# Altium PCB Calipso V2.0 REV3.0.PcbDoc (part 5 of 5)
Units mm, origin at the board's own origin, x right, y up, seen from the top; angles counter-clockwise.
Board outline 192.5 x 156.5 mm, 2 copper layers (Top Layer, Bottom Layer); 431 components, 334 nets, 1532 pads, 1628 vias.
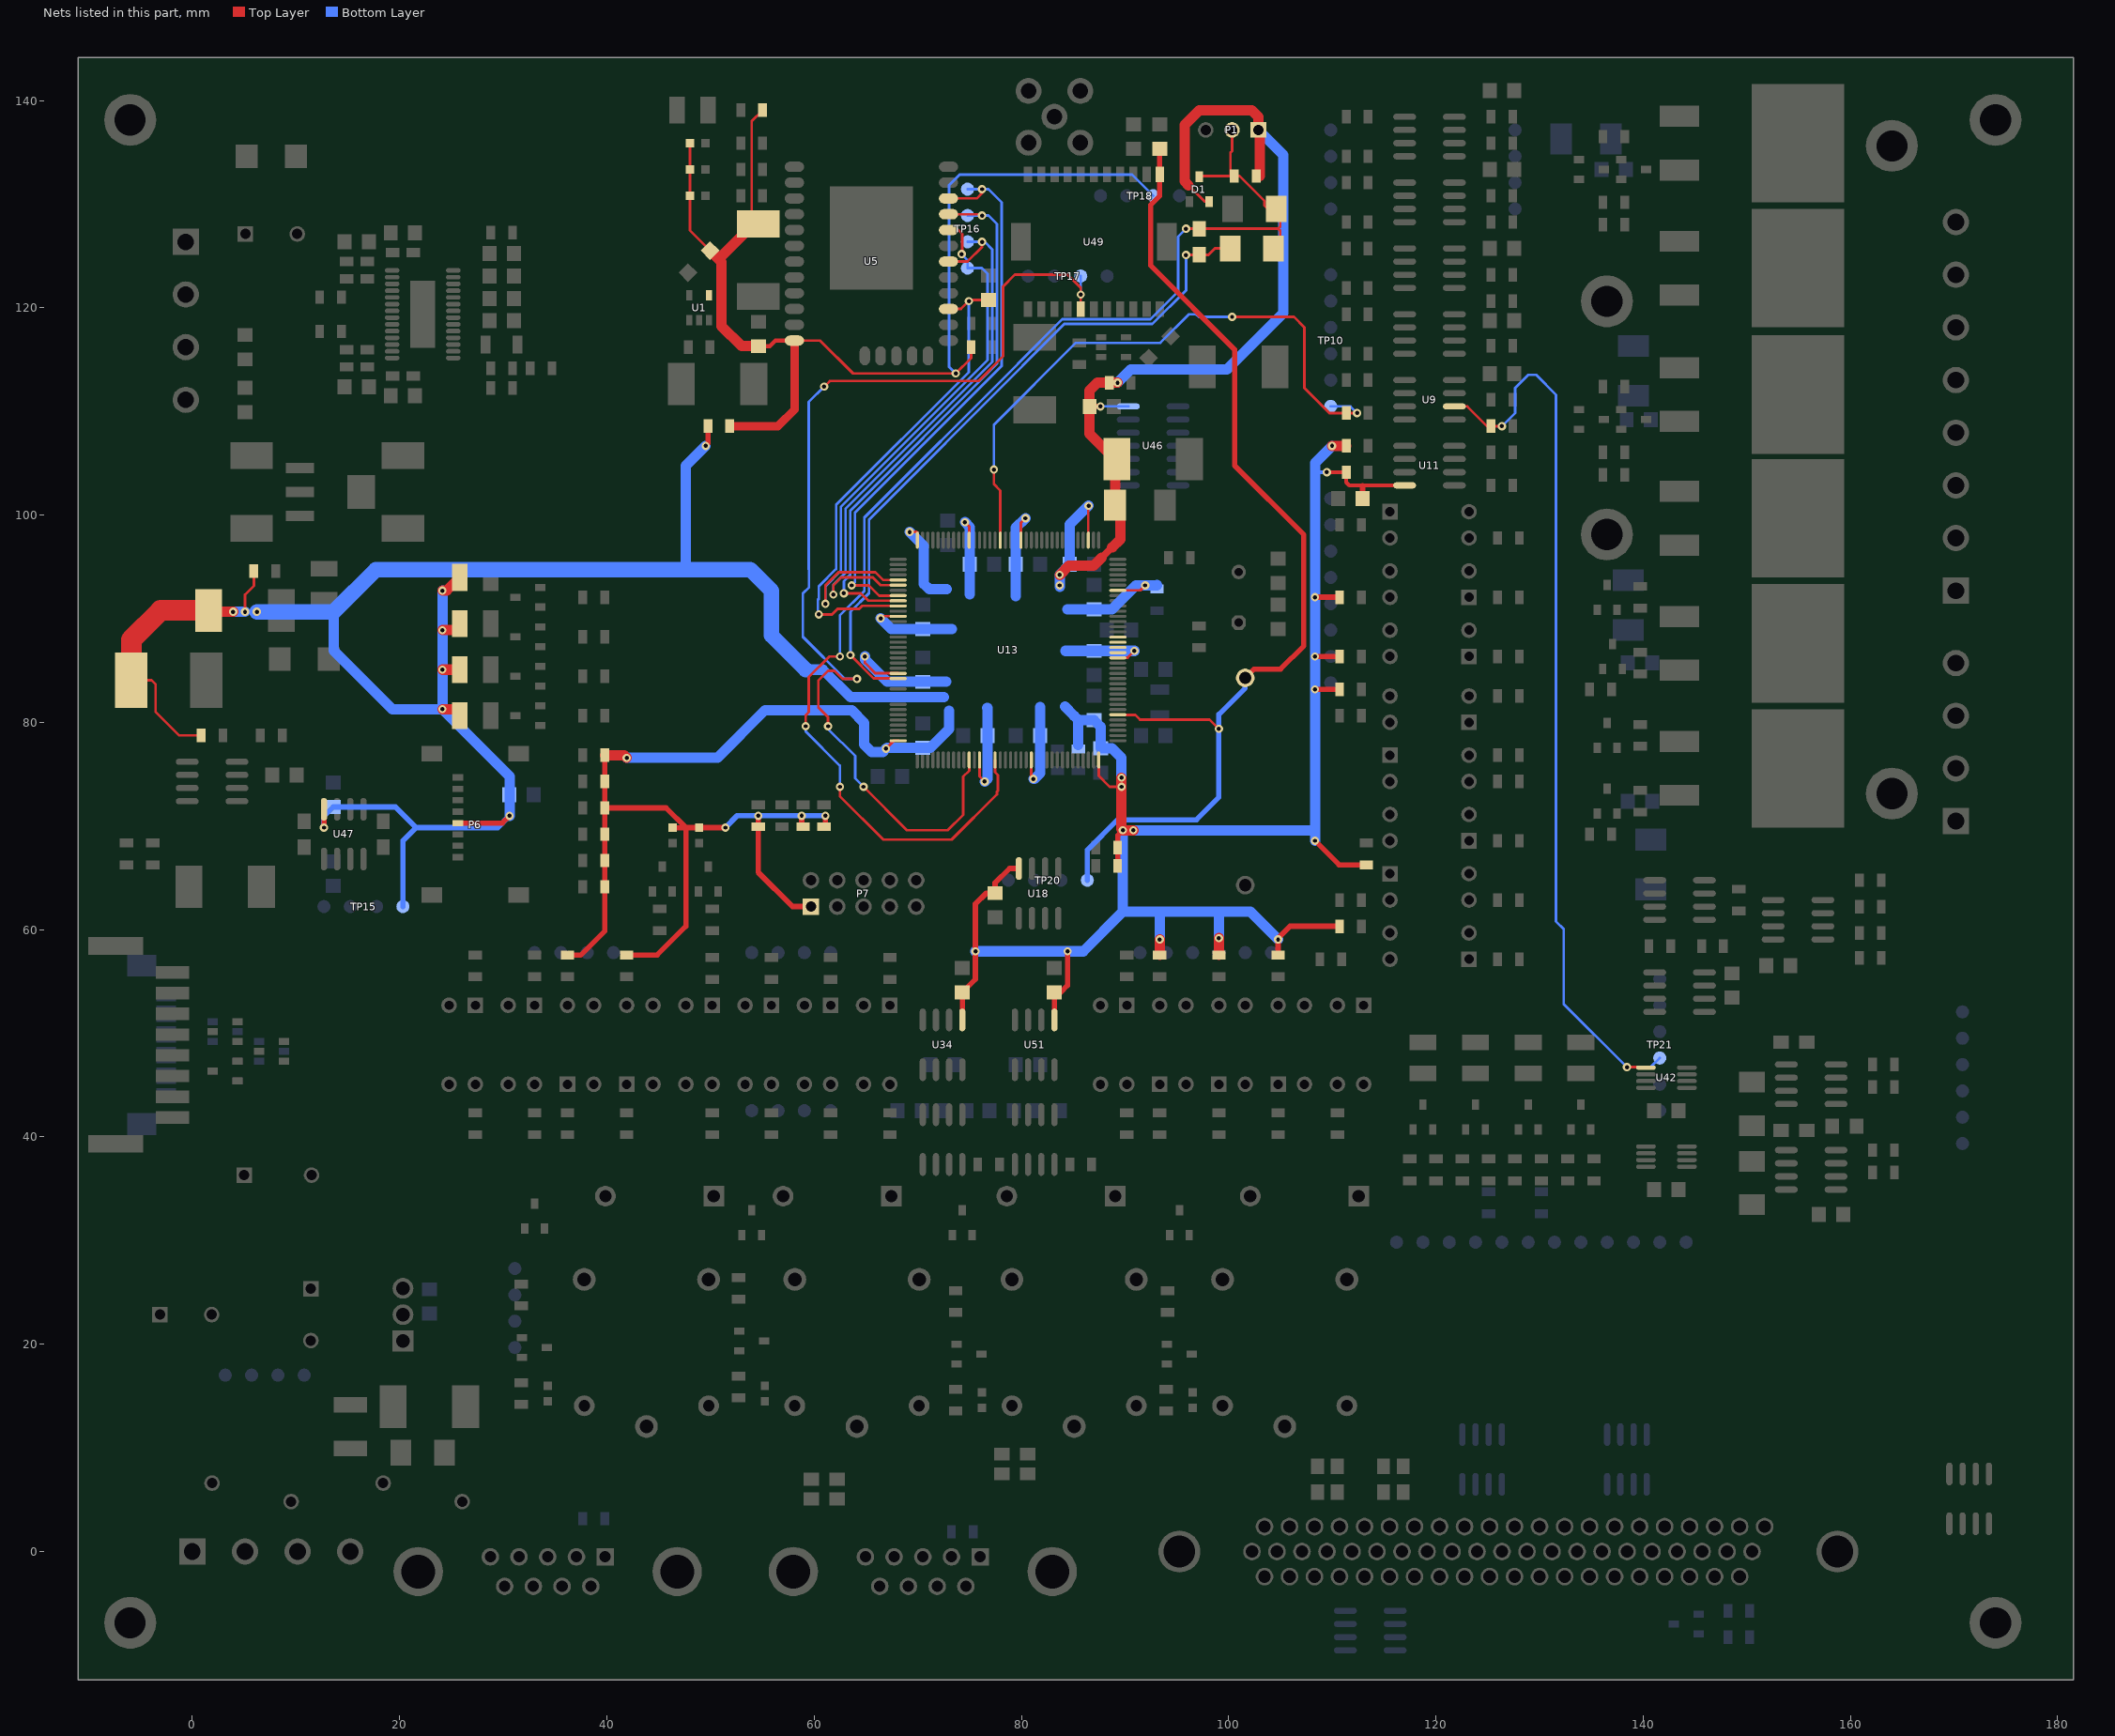
[diagram p5: the nets of this part, all layers, seen from the top]

## Via types
v1: diameter 0.8, hole 0.4, Top Layer to Bottom Layer, tented both sides, 1612 vias
v2: diameter 0.8, hole 0.4, Top Layer to Bottom Layer, 12 vias
v3: diameter 3, hole 2, Top Layer to Bottom Layer, 2 vias
v4: diameter 1.5, hole 1, Top Layer to Bottom Layer, 2 vias

## Nets (pads, with @x,y where several pads share a name; then routed paths per layer and width w, separated by ;. In a path a pad name is that pad's centre, name@x,y a point inside that pad or via, vN(x,y) a via of type N, cw(c..) or ccw(c..) an arc to the next point about the centre after c; other vN are vias at no path point) (continued)
USART2_TX: TP17.2 U13.119 U49.5 | length 103.4
  Top Layer w0.254: v1(60.96,112.395) 61.503,112.938 75.854,112.938 78.232,115.316 78.232,122.047 79.375,123.19 84.455,123.19 85.725,121.92 v1(85.725,121.285) U49.5@85.725,119.865 ; v1(61.341,79.629) 61.341,80.518 60.398,81.461 60.398,84.013 61.348,84.963 61.982,84.963 62.744,84.201 v1(64.135,84.201) ; v1(64.77,73.787) 68.961,69.596 72.898,69.596 74.387,71.085 74.387,74.768 74.959,75.34 U13.119@74.959,76.383
  Bottom Layer w0.254: v1(60.96,112.395) 59.49,110.925 59.49,94.769 59.509,94.75 59.509,93.044 58.909,92.444 58.909,88.265 62.973,84.201 v1(64.135,84.201) ; v1(61.341,79.629) 61.341,79.375 63.954,76.762 63.954,74.603 v1(64.77,73.787) ; v1(85.725,121.285) TP17.2@85.725,123.063
USART3_CTS: TP16.4 U5.10 U13.80 | length 55.5
  Top Layer w0.254: v1(63.627,93.218) 65.278,93.218 66.263,92.233 U13.80@68.109,92.233 ; U13.80@68.109,92.245 U13.80@68.14,92.245 ; U5.10@72.967,130.556 75.692,130.556 76.2,131.064 v1(76.2,131.445)
  Bottom Layer w0.254: v1(63.627,93.218) 63.935,93.526 63.935,100.229 78.105,114.399 78.105,130.175 76.835,131.445 v1(76.2,131.445) TP16.4@74.803,131.445
USART3_RTS: TP16.3 U5.9 U13.81 | length 53.8
  Top Layer w0.254: v1(62.865,92.456) 64.516,92.456 65.227,91.745 U13.81@68.14,91.745 ; U5.9@72.967,129.032 76.073,129.032 v1(76.2,128.905)
  Bottom Layer w0.254: v1(62.865,92.456) 62.865,93.618 63.481,94.234 63.481,100.417 77.651,114.587 77.651,128.089 76.835,128.905 v1(76.2,128.905) TP16.3@74.803,128.905
USART3_RX: TP16.2 U5.6 U13.78 | length 54.5
  Top Layer w0.254: v1(61.849,92.329) 61.849,93.218 62.611,93.98 65.659,93.98 66.394,93.245 U13.78@68.14,93.245 ; U5.6@72.967,124.46 74.803,124.46 76.2,125.857 v1(76.2,126.365)
  Bottom Layer w0.254: v1(61.849,92.329) 61.849,93.244 63.027,94.422 63.027,100.605 77.197,114.775 77.197,125.622 76.454,126.365 v1(76.2,126.365) TP16.2@74.803,126.365
USART3_TX: TP16.1 U5.8 U13.77 | length 55.2
  Top Layer w0.254: v1(61.087,91.44) 61.087,93.218 62.357,94.488 65.913,94.488 66.668,93.733 U13.77@68.109,93.733 ; U5.8@72.967,127.508 73.914,127.508 74.295,127.127 74.295,125.222 74.269,125.222 v1(74.234,125.187)
  Bottom Layer w0.254: v1(61.087,91.44) 61.087,93.124 62.573,94.61 62.573,100.793 76.743,114.963 76.743,123.282 76.2,123.825 TP16.1@74.803,123.825 74.803,124.618 v1(74.234,125.187)
USART6_RX: D1.3 D4.1 D6.1 J18.1 P1.2 R11.1 U13.124 | length 125.9
  Top Layer w0.254: v1(59.182,79.629) 59.182,80.688 59.49,80.996 59.49,84.389 61.461,86.36 v1(62.484,86.36) ; v1(62.484,73.787) 62.484,72.898 66.694,68.688 73.274,68.688 77.635,73.049 77.635,73.317 77.724,73.406 77.724,74.93 77.459,75.195 U13.124@77.459,76.383 ; v1(95.885,127.635) 97.135,127.635 J18.1@97.155,127.615 97.175,127.635 104.775,127.635 ; D1.3@97.155,132.645 97.225,132.715 R11.1@100.175,132.715 ; P1.2@100.33,137.16 100.33,135.128 100.175,134.973 R11.1@100.175,132.715 ; D6.1@104.97,125.73 104.97,127.44 104.775,127.635 ; R11.1@100.175,132.715 101.046,132.715 103.451,130.31 103.451,129.848 103.759,129.54 104.97,129.54 104.97,127.83 104.775,127.635
  Bottom Layer w0.254: v1(59.182,79.629) 59.182,79.121 62.484,75.819 v1(62.484,73.787) ; v1(62.484,86.36) 62.484,90.304 64.843,92.663 64.843,99.761 79.686,114.604 79.686,114.625 83.952,118.891 92.454,118.891 95.123,121.56 95.123,126.873 v1(95.885,127.635)
USART6_TX: D6.2 J18.0 U13.96 | length 67.7
  Top Layer w0.254: v1(63.5,86.487) 65.742,84.245 U13.96@68.14,84.245 ; v1(95.885,125.095) 95.905,125.115 J18.0@97.155,125.115 97.175,125.095 98.044,125.095 98.679,125.73 D6.2@100.135,125.73 D6.2@100.77,125.73
  Bottom Layer w0.254: v1(63.5,86.487) 63.5,90.678 65.297,92.475 65.297,99.573 80.14,114.416 80.14,114.437 84.14,118.437 92.642,118.437 95.885,121.68 v1(95.885,125.095)
V5V_IMON: U13.21
V5V_VMON: U13.20
VBAT: C69.2 P12.2 TP20.4 U13.6 U49.12 | length 102
  Top Layer w0.254: U13.6@89.34,80.745 89.375,80.71 90.994,80.71 91.44,80.264 98.171,80.264 v1(99.06,79.375)
  Top Layer w0.5: C69.2@93.345,135.35 U49.12@93.345,132.865 93.345,130.81 92.456,129.921 92.456,124.104 100.584,115.976 100.584,104.775 107.257,98.102 107.257,87.391 105.014,85.148 102.453,85.148 P12.2@101.6,84.295
  Bottom Layer w0.5: TP20.4@86.36,64.77 86.36,67.691 89.281,70.612 96.901,70.612 99.06,72.771 v1(99.06,79.375) 99.06,80.772 101.6,83.312 P12.2@101.6,84.295
VCC: C12.2 C13.2 C17.2 C19.1 C21.1 C22.1 C27.2 C45.2 C46.2 C47.2 C48.2 C49.2 C51.2 C52.2 C54.2 C55.2 C56.2 C57.2 C58.2 C60.1 C72.2 D1.2 GPS1.2 L4.1 L5.1 LED1.2 LED2.2 LED11.2 LED12.2 LED13.2 LED14.2 P1.1 P6.5 P7.1 R11.2 R32.1 R35.2 R41.2 R43.2 R47.2 R54.2 R55.2 R57.2 R60.2 R63.1 R65.1 R66.1 R67.2 R68.2 R72.2 R74.2 R78.2 R83.2 R89.2 R90.2 R98.2 R99.2 R100.2 R139.1 R140.1 R151.1 R152.1 TP15.4 U11.8 U13.17 U13.30 U13.39 U13.52 U13.62 U13.72 U13.84 U13.95 U13.108 U13.121 U13.131 U13.144 U18.8 U34.1 U46.14 U47.8 U51.1 WIFI1.2 | length 706
  Top Layer w0.254: L5.1@-5.899,84.074 -3.937,84.074 -3.556,83.693 -3.556,81.026 -1.27,78.74 R55.2@0.48,78.74 ; v1(5.08,90.678) 5.08,92.329 5.935,93.184 R41.2@5.935,94.615 ; v1(64.897,86.36) 64.897,85.732 65.884,84.745 U13.95@68.14,84.745 ; v1(66.421,90.043) 66.421,90.193 66.369,90.245 U13.84@68.14,90.245 ; v1(66.929,77.47) 67.704,78.245 U13.108@68.14,78.245 ; v1(69.215,98.37) 69.905,98.37 69.959,98.316 U13.72@69.959,97.583 ; v1(74.549,99.314) 74.959,98.904 U13.62@74.959,97.583 ; U13.121@75.959,76.383 75.959,74.79 v1(76.454,74.295) ; U13.52@79.959,97.583 79.959,99.263 v1(80.391,99.695) ; U13.131@80.959,76.383 80.959,74.743 v1(81.153,74.549) ; U51.1@83.185,51.295 U51.1@83.185,51.562 ; U13.39@86.459,97.583 86.459,100.872 v1(86.487,100.9) ; U13.144@87.459,76.383 87.459,74.849 88.521,73.787 v1(89.662,73.787) ; U13.17@89.34,86.245 90.247,86.245 v1(90.902,86.9) ; U13.30@89.34,92.745 91.475,92.745 v1(91.948,93.218) ; 96.137,131.824 97.715,130.245 D1.2@98.105,130.245
  Top Layer w0.384: 47.613,67.425 47.625,67.437 ; v1(109.474,104.14) R35.2@111.345,104.14 111.345,103.158 111.633,102.87 U11.8@116.98,102.87
  Top Layer w0.5: v1(12.7,69.85) U47.8@12.7,71.615 ; P6.5@25.626,70.292 29.906,70.292 v1(30.607,70.993) ; R89.2@36.195,57.565 36.229,57.531 37.465,57.531 39.785,59.851 R78.2@39.785,64.135 R74.2@39.785,66.675 R68.2@39.785,69.215 R67.2@39.785,71.755 R60.2@39.785,74.295 R57.2@39.785,76.835 ; R90.2@41.911,57.565 44.865,57.565 47.625,60.325 ; LED1.2@46.355,69.838 47.613,69.838 47.625,69.85 ; v1(49.53,106.68) 49.75,106.9 WIFI1.2@49.75,108.585 ; U34.1@74.296,51.295 C27.2@74.295,53.943 ; U51.1@83.185,51.562 C72.2@83.185,53.943 83.788,53.943 84.455,54.61 v1(84.455,57.912) ; C17.2@86.582,110.49 v1(87.63,110.49) ; R139.1@89.284,66.155 R140.1@89.284,67.933 89.284,69.091 v1@89.659,69.466 ; v1(108.331,68.58) 110.651,66.26 R72.2@113.284,66.26 ; v1(108.331,83.185) R54.2@110.335,83.185
  Top Layer w0.524: R67.2@40.16,71.755 45.72,71.755 47.625,69.85 ; 47.625,60.325 47.625,67.437 47.625,69.85 ; v1(51.435,69.85) 47.625,69.85 ; v1(54.61,70.993) R63.1@54.61,69.943 54.61,65.532 57.912,62.23 P7.1@59.69,62.23 ; v1(58.801,70.993) 58.801,70.07 R65.1@58.928,69.943 ; R66.1@60.96,69.943 61.087,70.07 v1(61.087,70.993) ; C27.2@74.295,53.943 75.565,55.213 v1(75.565,57.912) 75.565,62.484 76.613,63.532 C12.2@77.47,63.532 77.47,64.516 78.854,65.9 U18.8@79.756,65.9 ; R100.2@104.775,57.94 v1(104.775,59.055) 104.775,59.182 105.918,60.325 R83.2@110.335,60.325 ; v1(108.331,86.36) R47.2@110.335,86.36 ; v1(108.331,92.075) R43.2@110.335,92.075 ; C21.1@112.935,101.6 112.935,102.838
  Top Layer w0.7: 87.757,95.898 88.76,96.901
  Top Layer w1: C22.1@1.707,90.678 v1(3.937,90.678) ; v1(24.13,81.28) 25.805,81.28 LED14.2@25.805,80.645 ; v1(24.13,85.09) LED13.2@25.805,85.09 ; v1(24.13,88.9) LED12.2@25.527,88.9 ; v1(24.13,92.71) 24.535,92.71 LED11.2@25.805,93.98 ; R57.2@39.835,76.835 41.656,76.835 v1(41.91,76.581) ; v1(83.693,94.234) 84.582,95.123 86.982,95.123 87.757,95.898 ; C17.2@86.582,110.49 86.582,107.855 89.027,105.41 C19.1@89.21,105.41 89.035,105.235 L4.1@89.035,100.965 89.535,100.465 89.535,97.676 88.76,96.901 ; C17.2@86.582,110.776 86.582,112.01 87.348,112.776 v1(89.281,112.776) ; v1@89.662,74.649 v1(89.662,73.787) 89.662,69.723 v1(89.789,69.596) v1(90.805,69.596) ; R98.2@93.345,57.565 v1(93.345,59.055) ; 96.137,131.824 95.758,132.202 95.758,137.668 97.155,139.065 102.235,139.065 102.87,138.43 P1.1@102.87,137.16 103.025,137.005 R11.2@103.025,132.715 ; R99.2@99.06,57.565 v1(99.06,59.182) ; v1(109.982,106.68) R32.1@111.345,106.68
  Top Layer w2: L5.1@-5.899,84.074 -5.899,87.954 -3.048,90.805 C22.1@1.58,90.805
  Bottom Layer w0.254: v1(87.63,110.49) U46.14@90.31,110.49
  Bottom Layer w0.384: 108.331,104.013 108.331,104.14 v1(109.474,104.14)
  Bottom Layer w0.5: TP15.4@20.32,62.23 20.32,68.58 21.59,69.85
  Bottom Layer w0.524: v1(12.7,69.85) 12.7,70.961 C13.2@13.589,71.85 19.59,71.85 21.59,69.85 29.464,69.85 v1(30.607,70.993) ; v1(51.435,69.85) 52.578,70.993 v1(54.61,70.993) v1(58.801,70.993) v1(61.087,70.993)
  Bottom Layer w1: v1(3.937,90.678) v1(5.08,90.678) ; 13.642,90.678 13.642,86.942 19.304,81.28 v1(24.13,81.28) ; v1(24.13,92.71) v1(24.13,88.9) v1(24.13,85.09) v1(24.13,81.28) ; v1(30.607,70.993) 30.607,74.803 v1(24.13,81.28) ; v1(41.91,76.581) 50.673,76.581 55.245,81.153 63.627,81.153 64.84,79.94 64.84,77.862 65.543,77.159 66.618,77.159 v1(66.929,77.47) 67.024,77.565 71.215,77.565 73.015,79.365 73.015,81.143 ; 47.879,94.742 47.625,94.996 47.625,104.775 v1(49.53,106.68) ; 59.182,85.09 60.833,85.09 63.5,82.423 72.517,82.423 ; v1(64.897,86.36) 64.897,86.06 67.042,83.915 C52.2@70.485,83.915 72.739,83.915 ; v1(66.421,90.043) 67.469,88.995 73.311,88.995 ; v1(69.215,98.37) 70.58,97.005 70.58,93.377 71.12,92.837 72.771,92.837 ; v1(74.549,99.314) 75.025,98.838 75.025,92.361 ; v1(75.565,57.912) v1(84.455,57.912) 85.979,57.912 89.789,61.722 ; v1(76.454,74.295) 76.74,74.581 76.74,81.375 76.708,81.407 ; 79.47,92.17 79.47,98.774 v1(80.391,99.695) ; v1(81.153,74.549) 81.28,74.549 81.82,75.089 81.82,81.502 ; v1@83.693,93.091 v1(83.693,93.218) v1(83.693,94.234) 83.693,94.266 C45.2@84.677,95.25 84.677,99.09 v1(86.487,100.9) ; 84.201,81.534 85.09,80.645 85.49,80.245 ; 84.233,86.9 v1(90.902,86.9) ; 84.423,90.9 88.741,90.9 91.059,93.218 v1(91.948,93.218) 93.063,93.218 R151.1@93.091,93.246 ; R152.1@85.49,77.82 85.49,80.245 ; v1(89.281,112.776) 90.551,114.046 99.854,114.046 105.283,119.475 105.283,134.747 P1.1@102.87,137.16 ; v1(89.662,73.787) v1(89.662,74.676) 89.662,76.581 88.741,77.502 C58.2@87.63,77.502 87.63,79.597 C54.2@86.995,80.232 85.503,80.232 85.49,80.245 ; v1(93.345,59.055) 93.345,61.595 93.472,61.722 ; v1(99.06,59.182) 99.06,61.468 99.314,61.722 ; v1(104.775,59.055) 102.108,61.722 99.314,61.722 ; v1(108.331,68.58) 108.331,69.596 ; 108.331,104.013 v1(108.331,92.075) v1(108.331,86.36) v1(108.331,83.185) 108.331,69.596 ; 108.331,104.14 108.331,105.029 v1(109.982,106.68) ; 89.789,61.722 93.472,61.722 ; 89.789,61.722 v1(89.789,69.596) v1(90.805,69.596) 108.331,69.596 ; 93.472,61.722 99.314,61.722
  Bottom Layer w1.5: v1(6.223,90.678) 13.642,90.678 17.706,94.742 47.879,94.742 53.848,94.742 55.88,92.71 55.88,88.392 59.182,85.09
VDD_IMON: U13.19
VDD_VMON: U13.18
VM_CSN: R30.1 TP10.6 U13.56 | length 60.6
  Top Layer w0.254: v1(77.343,104.394) 77.343,102.997 77.959,102.381 U13.56@77.959,97.583 ; v1(100.33,119.126) 106.299,119.126 107.315,118.11 107.315,112.268 109.728,109.855 R30.1@110.97,109.855 ; R30.1@111.345,109.855 v1(112.395,109.855)
  Bottom Layer w0.254: v1(77.343,104.394) 77.343,108.708 85.256,116.621 93.394,116.621 96.153,119.38 96.854,119.38 97.108,119.126 v1(100.33,119.126) ; TP10.6@109.855,110.49 111.76,110.49 v1(112.395,109.855)
VMON_NCS: R31.1 TP21.4 U9.6 U42.5 | length 88
  Top Layer w0.254: U9.6@121.78,110.49 123.035,110.49 124.94,108.585 v1(126.365,108.585) ; v1(138.43,46.736) 140.224,46.736 U42.5@140.265,46.695
  Bottom Layer w0.254: v1(126.365,108.585) 127.635,109.855 127.635,112.268 128.905,113.538 129.667,113.538 131.592,111.613 131.592,60.799 132.334,60.057 132.334,52.832 v1(138.43,46.736) 140.716,46.736 TP21.4@141.605,47.625
WIFI3V3: C5.1 C6.1 L1.1 LINK1.2 PWR1.2 R9.1 R28.2 RUN1.2 TP18.3 U1.4 U5.24 WIFI1.1 | length 117.1
  Top Layer w0.254: RUN1.2@48.018,135.89 PWR1.2@48.018,133.35 LINK1.2@48.018,130.81 48.018,127.458 L1.1@49.956,125.521 ; C5.1@53.975,128.905 53.975,138.015 R9.1@55.025,139.065 ; U5.24@58.155,116.84 60.579,116.84 63.754,113.665 v1(73.66,113.665) 75.15,115.155 75.15,115.985 74.93,116.205 R28.2@75.15,116.205
  Top Layer w0.384: C6.1@54.61,116.3 55.721,116.3 56.261,116.84 U5.24@58.097,116.84 U5.24@58.155,116.84
  Top Layer w0.8: WIFI1.1@51.85,108.585 56.515,108.585 58.132,110.202 58.132,116.817 U5.24@58.155,116.84
  Top Layer w1: C6.1@54.61,116.3 52.991,116.3 51.054,118.237 51.054,124.422 L1.1@49.956,125.521 50.511,124.965 51.054,124.965 54.176,128.087 C5.1@54.61,128.087
  Bottom Layer w0.254: v1(73.66,113.665) 73.025,114.3 73.025,131.826 74.041,132.842 90.678,132.842 TP18.3@92.71,130.81
WIFI_RST: C16.1 U5.3 U13.82 | length 48.6
  Top Layer w0.254: v1(60.452,90.424) 61.722,90.424 62.265,90.967 64.351,90.967 64.629,91.245 U13.82@68.14,91.245 ; U5.3@72.967,119.888 74.168,119.888 75.025,120.745 C16.1@76.835,120.745
  Bottom Layer w0.254: v1(60.452,90.424) 60.36,90.516 60.36,91.833 60.452,91.925 60.452,93.131 62.119,94.798 62.119,100.981 74.93,113.792 v1(74.93,120.65)
pads on no net: J8.1 J8.6 J8.8 J9.5 J9.6 J9.8 P4.63 P4.64 P6.0 P7.7 P11.4 P11.7 P11.11 P11.12 TP9.6 TP18.4 U5.1 U5.4 U5.7 U5.11 U5.12 U5.13 U5.16 U5.17 U5.18 U5.19 U5.20 U5.21 U5.22 U5.26 U5.27 U5.28 U5.29 U5.30 U7.5 U7.8 U13.3 U13.26 U13.27 U13.35 U13.36 U13.43 U13.44 U13.45 U13.48 U13.49 U13.50 U13.75 U13.76 U13.79 U13.86 U13.91 U13.92 U13.93 U13.100 U13.123 U13.125 U13.126 U13.127 U13.128 U13.129 U13.132 U22.4 U22.5 U25.4 U35.5 U41.1 U41.5 U41.8 U44.1 U44.5 U44.8 U49.1 U49.2 U49.7 U49.9 U49.10 U49.11 U49.14 U49.15 U49.16 U49.19 U49.23 U49.24 U52.5 U54.5 U54.8

## Polygon pours and split planes (outlines as drawn)
no net on Top Overlay "Top Overlay-No Net" (solid): 359 vertices, not listed, extent 131.431,25.541 137.809,31.756
no net on Top Overlay "Bottom Overlay-No Net" (solid): 156.894,14.277 157.119,14.69 157.261,15.146 157.311,15.635 157.311,19.284 157.259,19.769 157.112,20.224 156.881,20.637 156.578,20.998 156.215,21.297 155.802,21.523 155.353,21.667 154.878,21.717 151.229,21.717 150.74,21.667 150.284,21.525 149.871,21.3 149.511,21.002 149.213,20.642 148.988,20.229 148.846,19.773 148.796,19.284 148.796,15.635 148.845,15.143 148.986,14.685 149.21,14.272 149.506,13.912 149.866,13.616 150.279,13.392 150.737,13.251 151.229,13.202 154.878,13.202 155.367,13.252 155.823,13.394 156.236,13.619 156.596,13.917
no net on Top Overlay "Bottom Overlay-No Net" (solid): 145.441,10.846 145.475,10.887 145.501,10.935 145.518,10.988 145.524,11.044 145.524,11.466 145.518,11.522 145.501,11.575 145.474,11.623 145.439,11.664 145.397,11.699 145.349,11.725 145.297,11.742 145.242,11.748 144.821,11.748 144.764,11.742 144.711,11.725 144.664,11.699 144.622,11.665 144.587,11.623 144.561,11.575 144.545,11.523 144.539,11.466 144.539,11.044 144.545,10.988 144.561,10.935 144.587,10.887 144.621,10.845 144.663,10.811 144.711,10.785 144.764,10.769 144.821,10.763 145.242,10.763 145.299,10.769 145.352,10.785 145.399,10.811
no net on Top Overlay "Bottom Overlay-No Net" (solid): 143.857,11.219 143.873,11.271 143.878,11.326 143.878,11.466 143.871,11.523 143.854,11.576 143.827,11.624 143.793,11.665 143.751,11.7 143.704,11.726 143.652,11.742 143.597,11.748 142.894,11.748 142.894,10.763 143.035,10.763 143.035,11.044 143.597,11.044 143.654,11.05 143.708,11.067 143.755,11.094 143.797,11.129 143.831,11.171
no net on Top Overlay "Bottom Overlay-No Net" (solid): 159.782,10.763 159.642,10.763 159.642,11.044 158.939,11.044 158.939,10.763 158.798,10.763 158.798,11.466 158.804,11.521 158.82,11.573 158.845,11.621 158.88,11.663 158.921,11.698 158.969,11.725 159.022,11.742 159.079,11.748 159.501,11.748 159.556,11.742 159.608,11.726 159.655,11.7 159.696,11.665 159.731,11.624 159.758,11.576 159.775,11.523 159.782,11.466
no net on Top Overlay "Bottom Overlay-No Net" (solid): 163.005,11.129 163.039,11.171 163.065,11.219 163.081,11.271 163.087,11.326 163.087,11.466 163.08,11.523 163.062,11.576 163.036,11.624 163.001,11.665 162.96,11.7 162.912,11.726 162.861,11.742 162.806,11.748 162.102,11.748 162.102,10.763 162.243,10.763 162.243,11.044 162.806,11.044 162.863,11.05 162.916,11.067 162.964,11.094
no net on Top Overlay "Bottom Overlay-No Net" (solid): 165.227,10.848 165.261,10.89 165.287,10.938 165.303,10.99 165.309,11.044 165.309,11.115 165.301,11.172 165.284,11.225 165.257,11.272 165.223,11.314 165.181,11.348 165.134,11.374 165.082,11.39 165.027,11.396 164.465,11.396 164.465,11.748 164.324,11.748 164.324,10.763 165.027,10.763 165.085,10.769 165.138,10.786 165.186,10.813
no net on Top Overlay "Bottom Overlay-No Net" (solid): 172.524,10.846 172.558,10.887 172.584,10.935 172.601,10.988 172.607,11.044 172.607,11.466 172.601,11.522 172.584,11.575 172.557,11.623 172.522,11.664 172.48,11.699 172.432,11.725 172.38,11.742 172.325,11.748 171.904,11.748 171.847,11.742 171.794,11.725 171.747,11.699 171.705,11.665 171.671,11.623 171.645,11.575 171.628,11.523 171.622,11.466 171.622,11.044 171.628,10.988 171.644,10.935 171.67,10.887 171.704,10.845 171.746,10.811 171.794,10.785 171.847,10.769 171.904,10.763 172.325,10.763 172.382,10.769 172.435,10.785 172.482,10.811
no net on Top Overlay "Bottom Overlay-No Net" (solid): 174.746,10.846 174.78,10.887 174.806,10.935 174.823,10.988 174.828,11.044 174.828,11.466 174.822,11.522 174.805,11.575 174.779,11.623 174.744,11.664 174.702,11.699 174.654,11.725 174.602,11.742 174.547,11.748 174.125,11.748 174.069,11.742 174.016,11.725 173.968,11.699 173.927,11.665 173.892,11.623 173.866,11.575 173.85,11.523 173.844,11.466 173.844,11.044 173.85,10.988 173.866,10.935 173.892,10.887 173.926,10.845 173.968,10.811 174.016,10.785 174.068,10.769 174.125,10.763 174.547,10.763 174.604,10.769 174.656,10.785 174.704,10.811
no net on Top Overlay "Top Overlay-No Net" (solid): 46.99,96.52 57.903,96.52 55.345,100.951 54.352,102.668 52.447,105.973
no net on Mechanical 13 "Top Overlay-No Net" (solid): 359 vertices, not listed, extent 131.431,25.541 137.809,31.756
no net on Mechanical 13 "Bottom Overlay-No Net" (solid): 156.894,14.277 157.119,14.69 157.261,15.146 157.311,15.635 157.311,19.284 157.259,19.769 157.112,20.224 156.881,20.637 156.578,20.998 156.215,21.297 155.802,21.523 155.353,21.667 154.878,21.717 151.229,21.717 150.74,21.667 150.284,21.525 149.871,21.3 149.511,21.002 149.213,20.642 148.988,20.229 148.846,19.773 148.796,19.284 148.796,15.635 148.845,15.143 148.986,14.685 149.21,14.272 149.506,13.912 149.866,13.616 150.279,13.392 150.737,13.251 151.229,13.202 154.878,13.202 155.367,13.252 155.823,13.394 156.236,13.619 156.596,13.917
no net on Mechanical 13 "Bottom Overlay-No Net" (solid): 145.441,10.846 145.475,10.887 145.501,10.935 145.518,10.988 145.524,11.044 145.524,11.466 145.518,11.522 145.501,11.575 145.474,11.623 145.439,11.664 145.397,11.699 145.349,11.725 145.297,11.742 145.242,11.748 144.821,11.748 144.764,11.742 144.711,11.725 144.664,11.699 144.622,11.665 144.587,11.623 144.561,11.575 144.545,11.523 144.539,11.466 144.539,11.044 144.545,10.988 144.561,10.935 144.587,10.887 144.621,10.845 144.663,10.811 144.711,10.785 144.764,10.769 144.821,10.763 145.242,10.763 145.299,10.769 145.352,10.785 145.399,10.811
no net on Mechanical 13 "Bottom Overlay-No Net" (solid): 143.857,11.219 143.873,11.271 143.878,11.326 143.878,11.466 143.871,11.523 143.854,11.576 143.827,11.624 143.793,11.665 143.751,11.7 143.704,11.726 143.652,11.742 143.597,11.748 142.894,11.748 142.894,10.763 143.035,10.763 143.035,11.044 143.597,11.044 143.654,11.05 143.708,11.067 143.755,11.094 143.797,11.129 143.831,11.171
no net on Mechanical 13 "Bottom Overlay-No Net" (solid): 159.782,10.763 159.642,10.763 159.642,11.044 158.939,11.044 158.939,10.763 158.798,10.763 158.798,11.466 158.804,11.521 158.82,11.573 158.845,11.621 158.88,11.663 158.921,11.698 158.969,11.725 159.022,11.742 159.079,11.748 159.501,11.748 159.556,11.742 159.608,11.726 159.655,11.7 159.696,11.665 159.731,11.624 159.758,11.576 159.775,11.523 159.782,11.466
no net on Mechanical 13 "Bottom Overlay-No Net" (solid): 163.005,11.129 163.039,11.171 163.065,11.219 163.081,11.271 163.087,11.326 163.087,11.466 163.08,11.523 163.062,11.576 163.036,11.624 163.001,11.665 162.96,11.7 162.912,11.726 162.861,11.742 162.806,11.748 162.102,11.748 162.102,10.763 162.243,10.763 162.243,11.044 162.806,11.044 162.863,11.05 162.916,11.067 162.964,11.094
no net on Mechanical 13 "Bottom Overlay-No Net" (solid): 165.227,10.848 165.261,10.89 165.287,10.938 165.303,10.99 165.309,11.044 165.309,11.115 165.301,11.172 165.284,11.225 165.257,11.272 165.223,11.314 165.181,11.348 165.134,11.374 165.082,11.39 165.027,11.396 164.465,11.396 164.465,11.748 164.324,11.748 164.324,10.763 165.027,10.763 165.085,10.769 165.138,10.786 165.186,10.813
no net on Mechanical 13 "Bottom Overlay-No Net" (solid): 172.524,10.846 172.558,10.887 172.584,10.935 172.601,10.988 172.607,11.044 172.607,11.466 172.601,11.522 172.584,11.575 172.557,11.623 172.522,11.664 172.48,11.699 172.432,11.725 172.38,11.742 172.325,11.748 171.904,11.748 171.847,11.742 171.794,11.725 171.747,11.699 171.705,11.665 171.671,11.623 171.645,11.575 171.628,11.523 171.622,11.466 171.622,11.044 171.628,10.988 171.644,10.935 171.67,10.887 171.704,10.845 171.746,10.811 171.794,10.785 171.847,10.769 171.904,10.763 172.325,10.763 172.382,10.769 172.435,10.785 172.482,10.811
no net on Mechanical 13 "Bottom Overlay-No Net" (solid): 174.746,10.846 174.78,10.887 174.806,10.935 174.823,10.988 174.828,11.044 174.828,11.466 174.822,11.522 174.805,11.575 174.779,11.623 174.744,11.664 174.702,11.699 174.654,11.725 174.602,11.742 174.547,11.748 174.125,11.748 174.069,11.742 174.016,11.725 173.968,11.699 173.927,11.665 173.892,11.623 173.866,11.575 173.85,11.523 173.844,11.466 173.844,11.044 173.85,10.988 173.866,10.935 173.892,10.887 173.926,10.845 173.968,10.811 174.016,10.785 174.068,10.769 174.125,10.763 174.547,10.763 174.604,10.769 174.656,10.785 174.704,10.811
no net on Mechanical 13 "Top Overlay-No Net" (solid): 46.99,96.52 57.903,96.52 55.345,100.951 54.352,102.668 52.447,105.973
IGND on Top Layer "Mechanical 4-No Net" (solid, pour order 1): 17.145,5.08 19.05,3.175 19.05,-6.985 21.59,-9.525 170.815,-9.525 170.815,-5.08 173.355,-2.54 179.07,-2.54 179.07,67.31 178.435,67.945 151.13,67.945 147.32,71.755 147.32,143.51 121.92,143.51 121.92,53.34 114.935,46.355 20.955,46.355 17.145,42.545
AGND on Top Layer "Mechanical 2-No Net" (solid): 5.715,5.08 5.715,20.32 5.08,20.955 5.08,27.94 13.97,36.83 13.97,44.45 20.955,51.435 113.665,51.435 116.84,54.61 116.84,143.51 76.835,143.51 75.565,142.24 75.565,137.795 73.66,135.89 57.658,135.89 56.515,137.033 56.515,140.97 54.61,142.875 53.975,143.51 0,143.51 0,136.525 -3.81,132.715 -10.795,132.715 -10.795,-10.16 8.89,-10.16 8.89,1.905
IGND on Bottom Layer "Mechanical 4-No Net 1" (solid, pour order 2): 17.145,5.08 19.05,3.175 19.05,-6.985 21.59,-9.525 170.815,-9.525 170.815,-5.08 173.355,-2.54 179.07,-2.54 179.07,67.31 178.435,67.945 151.13,67.945 147.32,71.755 147.32,143.51 121.92,143.51 121.92,53.34 114.935,46.355 20.955,46.355 17.145,42.545
AGND on Bottom Layer "Mechanical 2-No Net 1" (solid, pour order 0): 5.715,5.08 5.715,20.32 5.08,20.955 5.08,27.94 13.97,36.83 13.97,44.45 20.955,51.435 113.665,51.435 116.84,54.61 116.84,143.51 76.835,143.51 75.565,142.24 75.565,137.795 73.66,135.89 57.658,135.89 56.515,137.033 56.515,140.97 54.61,142.875 53.975,143.51 0,143.51 0,136.525 -3.81,132.715 -10.795,132.715 -10.795,-10.16 8.89,-10.16 8.89,1.905

## Other copper
Top Layer:
  rectangle net AGND: 18.161,53.975 20.32,56.134
  rectangle net VCC: 83.058,92.583 84.328,94.869
  rectangle net AGND: 82.55,80.899 84.836,92.075
  rectangle net VCC: 3.175,89.916 6.985,91.44
  rectangle net SW: 3.683,80.772 6.477,84.455
  rectangle net NetR70_2: -6.858,68.072 -3.302,74.549
  rectangle net 5V: -6.985,62.23 -0.381,66.167
  rectangle net AGND: 72.644,80.899 82.55,93.091
  rectangle net NetP3_5: 155.575,93.98 167.005,117.348
  region net NetL1_2: 48.26,120.777 48.26,121.666 47.117,121.666 47.117,120.777
  region net WIFI3V3: 50.673,120.777 50.673,121.666 50.038,121.666 50.038,120.777
  rectangle net AGND: 8.89,43.18 11.43,44.45
  rectangle net AGND: 12.065,79.375 13.335,80.645
  rectangle net AGND: 43.815,69.215 45.085,70.485
  rectangle net AGND: 50.8,71.755 52.07,73.025
  rectangle net AGND: 8.89,64.135 10.922,66.167
  rectangle net AGND: 29.846,56.515 31.116,57.785
  rectangle net AGND: 36.83,61.595 38.1,62.865
  rectangle net AGND: 42.545,61.595 43.815,62.865
  rectangle net AGND: 55.88,59.69 57.15,60.96
  rectangle net AGND: 0,52.07 1.27,53.34
  rectangle net AGND: 57.277,92.075 58.547,93.345
  rectangle net AGND: 57.531,93.32 59.436,94.615
  rectangle net AGND: 101.854,128.905 103.124,130.175
  region net AGND: 70.104,121.285 70.104,132.207 61.214,132.207 61.214,121.285
  rectangle net NetP3_7: 153,118.13 161,141.63
  rectangle net NetP3_7: 161,118.13 167,130.63
  rectangle net NetC9_2: 14.351,120.523 15.367,123.063
  rectangle net NetC18_2: 14.351,115.697 15.367,118.237
  rectangle net NetC18_2: 15.367,116.967 16.891,118.237
  rectangle net NetC9_2: 15.367,120.523 16.891,121.793
  rectangle net PVCC: 16.637,124.079 19.685,126.873
  rectangle net PVCC: 17.907,122.809 19.275,124.079
  rectangle net PVCC: 16.637,111.887 19.685,114.554
  rectangle net PVCC: 17.907,114.554 19.275,115.951
  pour cut-out: 26.416,66.421 35.306,66.421 35.306,75.629 26.416,75.629
Bottom Layer:
  rectangle net AGND: 20.447,115.57 24.003,123.825
  rectangle net AGND: 12.065,79.375 13.335,80.645
  rectangle net VCC: 3.175,89.916 6.985,91.44
  rectangle net SW: 3.683,80.772 6.477,83.058
  rectangle net VCC: 72.39,80.645 85.09,93.345
  rectangle net AGND: 8.89,43.18 11.43,44.45
  rectangle net AGND: 18.161,53.975 20.32,56.134
  rectangle net AGND: 8.89,64.135 10.922,66.167
  rectangle net AGND: 43.815,69.215 45.085,70.485
  rectangle net AGND: 50.8,71.755 52.07,73.025
  rectangle net AGND: 29.846,56.515 31.116,57.785
  rectangle net AGND: 36.83,61.595 38.1,62.865
  rectangle net AGND: 42.545,61.595 43.815,62.865
  rectangle net AGND: 55.88,59.69 57.15,60.96
  rectangle net AGND: 31.75,70.485 33.02,71.755
  rectangle net AGND: 0,52.07 1.27,53.34
  rectangle net AGND: 57.277,92.075 58.557,93.345
  rectangle net AGND: 58.166,93.345 59.182,94.615
  rectangle net AGND: 101.854,128.905 103.124,130.175
  rectangle net PVCC: -3.175,44.45 -1.905,46.355
  region net AGND: 69.596,122.047 69.596,131.953 61.214,131.953 61.214,122.047

## Silkscreen, mask and mechanical layers (free items; w line width, h text height)
Top Overlay:
  drawing of 2098 lines, arcs and shapes, not listed
  text "Class-D  / Audio Amplifier" at 13.843,133.731 h1.52
  text "GND" at 159.893,127.508 h1.52
  text "PWM3-" at 159.893,122.428 h1.52
  text "PWM2+" at 159.893,117.348 h1.52
  text "PWM2-" at 159.893,112.395 h1.52
  text "PWM1+" at 159.893,106.934 h1.52
  text "PWM1-" at 159.893,102.235 h1.52
  text "V2" at 161.036,97.282 h1.52
  text "FAULT" at 15.875,93.345 h1.25
  text "V1" at 161.417,92.075 h1.52
  text "DWIN" at 15.875,88.9 h1.25
  text "FOOTSW" at 15.875,84.455 h1.25
  text "GND" at 160.401,83.82 h1.52
  text "SIMMER" at 15.875,80.01 h1.25
  text "PWM-" at 160,79.63 h1.52
  text "PWM+" at 160,76.13 h1.52
  text "V3" at 161.5,68.63 h1.52
  text "OT" at 117.729,52.07 h1.25
  text "OV" at 122.936,52.07 h1.25
  text "FLT" at 127.254,52.07 h1.25
  text "HV" at 133.096,52.07 h1.25
  text "Calipso Board V2.0 REV3.0" at 139.065,27.94 h1.52
  text "https://github.com/fxslava/Laser-LED-STM-Board-Project" at 138.938,26.289 h0.7
Mechanical 2:
  lines w0.1: 0,143.51 48.768,143.51 53.975,143.51 54.61,142.875 56.515,140.97 56.515,137.033 57.658,135.89 73.66,135.89 75.565,137.795 75.565,142.24 76.835,143.51 116.84,143.51
  lines w0.127: 0,143.51 0,136.525 -3.81,132.715 -10.795,132.715 -10.795,-10.16 8.89,-10.16 ; 13.97,36.83 13.97,44.45 20.955,51.435 113.665,51.435 116.84,54.61 116.84,99.695 116.84,143.51
  lines w0.254: 8.89,-10.16 8.89,1.905 5.715,5.08 5.715,20.32 5.08,20.955 5.08,24.511 5.08,27.94 13.97,36.83
Mechanical 3:
  lines w0.127: 20.955,65.405 29.845,65.405 29.845,74.93 20.955,74.93 20.955,65.405
Mechanical 4:
  the board outline again, w0.254
Mechanical 5:
  lines w0.127: 20.955,46.355 114.935,46.355 121.92,53.34 121.92,143.51 147.32,143.51 147.32,71.755 151.13,67.945 178.435,67.945 179.07,67.31 179.07,12.7
  lines w0.254: 20.955,46.355 17.145,42.545 17.145,17.145 17.145,5.08 19.05,3.175 19.05,-6.985 21.59,-9.525 170.815,-9.525 170.815,-5.08 173.355,-2.54 179.07,-2.54 179.07,12.7
Mechanical 13:
  drawing of 2102 lines, arcs and shapes, not listed
  text "P1" at 82.296,140.462 h1.52
  text "Calipso Board V2.0 REV3.0" at 139.065,27.94 h1.52
  text "https://github.com/fxslava/Laser-LED-STM-Board-Project" at 138.938,26.289 h0.7
  text "1" at 20.828,18.288 h0.7 r90
Mechanical 14:
  lines w0.254: -11,-12.37 -11,144.018 -10.888,144.13 181.483,144.13 181.483,-12.37 -11,-12.37
Mechanical 15:
  lines w0.127: -11,-12.37 -11,144.13 181.483,144.13 181.483,-12.37 -11,-12.37 ; 167.386,67.945 167.386,88.265 180.213,88.265 180.213,67.945 167.386,67.945 ; 167.386,90.17 167.386,130.81 180.213,130.81 180.213,90.17 167.386,90.17

## Dimensions
-11,144.13 to 181.5,144.13 on Mechanical 13
181.5,144.13 to 181.5,-12.37 on Mechanical 13
-6,138.13 to 174,138.13 on Mechanical 13
174,138.13 to 174,-6.87 on Mechanical 13
-6,138.13 to -6,-6.87 on Mechanical 13
-6,-6.87 to 174,-6.87 on Mechanical 13

## Text inside footprints (layer, text, board x,y; h text height)
C3: Top Overlay "+" at 4.572,128.143 h1.5
C34: Top Overlay "+" at 5.207,37.338 h1.5
C39: Top Overlay "+" at -3.683,23.876 h1.5
C40: Top Overlay "+" at 12.446,25.908 h1.5 r270
J8: Top Overlay "6" at 38.945,-6.455 h1.5 r180; Top Overlay "9" at 30.635,-6.455 h1.5 r180; Top Overlay "5" at 29.25,2.945 h1.5 r180; Top Overlay "1" at 40.08,2.945 h1.5 r180; Mechanical 13 "1" at 40.08,2.945 h1.5 r180; Mechanical 13 "5" at 29.25,2.945 h1.5 r180; Mechanical 13 "9" at 30.635,-6.455 h1.5 r180; Mechanical 13 "6" at 38.945,-6.455 h1.5 r180
J9: Top Overlay "6" at 75.14,-6.455 h1.5 r180; Top Overlay "9" at 66.83,-6.455 h1.5 r180; Top Overlay "5" at 65.445,2.945 h1.5 r180; Top Overlay "1" at 76.275,2.945 h1.5 r180; Mechanical 13 "1" at 76.275,2.945 h1.5 r180; Mechanical 13 "5" at 65.445,2.945 h1.5 r180; Mechanical 13 "9" at 66.83,-6.455 h1.5 r180; Mechanical 13 "6" at 75.14,-6.455 h1.5 r180
P2: Mechanical 13 "1" at 2.413,126.111 h0.8; Mechanical 13 "4" at 2.413,110.744 h0.8
P3: Mechanical 13 "1" at 167.005,93.091 h0.8 r180; Mechanical 13 "8" at 167.005,128.651 h0.8 r180
P5: Mechanical 13 "4" at 166.751,85.09 h0.8; Mechanical 13 "1" at 166.878,69.85 h0.8
P7: Top Overlay "2" at 59.055,66.04 h1; Top Overlay "1" at 59.69,59.69 h1; Top Overlay "9" at 69.215,59.69 h1; Top Overlay "10" at 69.215,66.04 h1; Mechanical 13 "10" at 69.85,64.77 h0.7; Mechanical 13 "2" at 59.69,64.77 h0.7; Mechanical 13 "9" at 69.85,61.595 h0.7; Mechanical 13 "1" at 59.69,61.595 h0.7
P10: Mechanical 13 "4" at 14.986,2.413 h0.8; Mechanical 13 "1" at -0.127,2.286 h0.8
U1: Mechanical 13 "1" at 47.371,118.491 h0.6 r90
U3: Mechanical 13 "1" at 116.586,138.938 h0.5; Mechanical 15 "1" at 116.586,138.938 h0.5
U4: Mechanical 13 "1" at 116.586,132.588 h0.5; Mechanical 15 "1" at 116.586,132.588 h0.5
U6: Mechanical 13 "1" at 116.586,126.238 h0.5; Mechanical 15 "1" at 116.586,126.238 h0.5
U7: Mechanical 13 "1" at 173.101,8.763 h0.7 r270; Mechanical 15 "1" at 173.99,7.747 h0.7 r270
U8: Mechanical 13 "1" at 116.586,119.888 h0.5; Mechanical 15 "1" at 116.586,119.888 h0.5
U9: Mechanical 13 "1" at 116.586,113.538 h0.5; Mechanical 15 "1" at 116.586,113.538 h0.5
U10: Mechanical 14 "1" at 136.779,12.573 h0.7 r90; Mechanical 15 "1" at 135.89,11.557 h0.7 r90
U11: Mechanical 13 "1" at 122.174,102.362 h0.5 r180; Mechanical 15 "1" at 122.174,102.362 h0.5 r180
U12: Mechanical 13 "1" at 115.062,100.076 h0.5
U14: Mechanical 13 "1" at 123.698,92.329 h0.5 r180
U15: Mechanical 13 "1" at 123.698,86.614 h0.5 r180
U16: Mechanical 13 "1" at 123.698,80.264 h0.5 r180
U17: Mechanical 13 "1" at 115.062,76.581 h0.5
U18: Mechanical 13 "1" at 79.248,60.706 h0.5 r90; Mechanical 15 "1" at 79.248,60.706 h0.5 r90
U19: Mechanical 13 "1" at 5.588,72.644 h0.7 r180; Mechanical 15 "1" at 4.572,71.755 h0.7 r180
U20: Mechanical 13 "1" at 123.698,68.834 h0.5 r180
U21: Mechanical 13 "1" at 115.062,65.151 h0.5
U22: Mechanical 13 "1" at 146.304,60.452 h0.5 r180; Mechanical 15 "1" at 146.304,60.452 h0.5 r180
U23: Mechanical 13 "1" at 157.734,58.547 h0.5 r180; Mechanical 15 "1" at 157.734,58.547 h0.5 r180
U24: Mechanical 13 "1" at 123.698,57.404 h0.5 r180
U25: Mechanical 13 "1" at 140.716,56.388 h0.5; Mechanical 15 "1" at 140.716,56.388 h0.5
U26: Mechanical 13 "1" at 27.051,53.213 h0.5 r270
U27: Mechanical 13 "1" at 32.767,53.213 h0.5 r270
U28: Mechanical 13 "1" at 36.449,44.577 h0.5 r90
U29: Mechanical 13 "1" at 42.165,44.577 h0.5 r90
U30: Mechanical 13 "1" at 49.911,53.213 h0.5 r270
U31: Mechanical 13 "1" at 55.626,53.213 h0.5 r270
U32: Mechanical 13 "1" at 61.341,53.213 h0.5 r270
U33: Mechanical 13 "1" at 67.056,53.213 h0.5 r270
U34: Mechanical 13 "1" at 74.804,51.689 h0.5 r270; Mechanical 15 "1" at 74.804,51.689 h0.5 r270
U35: Mechanical 13 "1" at 74.804,42.545 h0.5 r270; Mechanical 15 "1" at 74.804,42.545 h0.5 r270
U36: Mechanical 13 "1" at 89.916,53.213 h0.5 r270
U37: Mechanical 13 "1" at 93.599,44.577 h0.5 r90
U38: Mechanical 13 "1" at 99.314,44.577 h0.5 r90
U39: Mechanical 13 "1" at 105.029,44.577 h0.5 r90
U40: Mechanical 13 "1" at 112.776,53.213 h0.5 r270
U41: Mechanical 13 "1" at 159.004,42.672 h0.5 r180; Mechanical 15 "1" at 159.004,42.672 h0.5 r180
U42: Mechanical 13 "1" at 144.526,44.323 h0.5 r180
U43: Mechanical 13 "1" at 144.526,36.703 h0.5 r180
U44: Mechanical 13 "1" at 159.004,34.417 h0.5 r180; Mechanical 15 "1" at 159.004,34.417 h0.5 r180
U45: Mechanical 15 "1" at 20.574,18.542 h0.5 r90
U47: Mechanical 13 "1" at 12.192,66.421 h0.5 r90; Mechanical 15 "1" at 12.192,66.421 h0.5 r90
U50: Mechanical 13 "1" at 87.376,117.729 h0.6
U51: Mechanical 13 "1" at 82.931,52.578 h0.7 r270; Mechanical 15 "1" at 83.82,51.562 h0.7 r270
U52: Mechanical 13 "1" at 82.931,43.434 h0.7 r270; Mechanical 15 "1" at 83.82,42.418 h0.7 r270
U53: Mechanical 14 "1" at 122.809,12.573 h0.7 r90; Mechanical 15 "1" at 121.92,11.557 h0.7 r90
U54: Mechanical 14 "1" at 109.982,-9.271 h0.7 r180; Mechanical 15 "1" at 110.998,-10.16 h0.7 r180